# Altium PCB smu_unit.PcbDoc (part 2 of 3)
Units mil, origin at the board's own origin, x right, y up, seen from the top; angles counter-clockwise.
Board outline 6066 x 1900 mil, 4 copper layers (L1, L2, L3, L4), stack 64.6 mil thick; 158 components, 104 nets, 571 pads, 990 vias.
Unrouted connection lines stored in the file: 24.
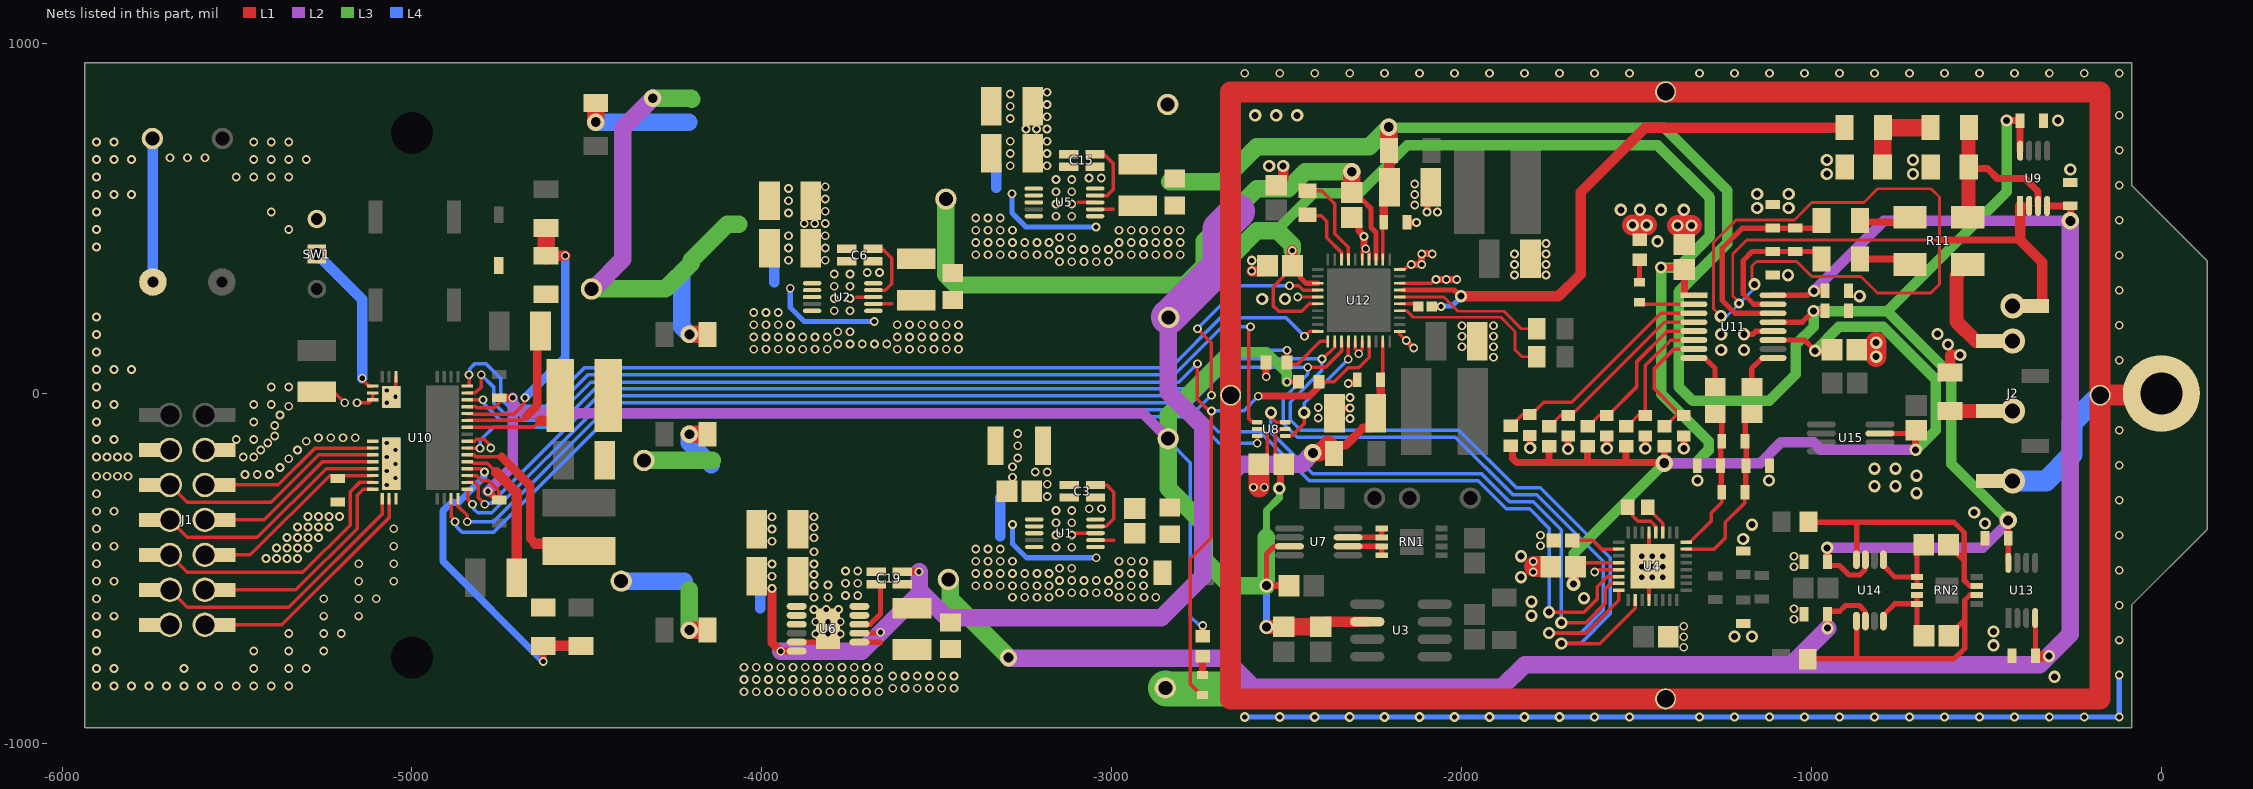
[diagram p4: the nets of this part, all layers, seen from the top]

## Via types
v1: diameter 25, hole 15, L1 to L4, tented both sides, 770 vias
v2: diameter 35, hole 20, L1 to L4, tented both sides, 109 vias
v3: diameter 20, hole 12, L1 to L4, tented both sides, 59 vias
v4: diameter 28, hole 15, L1 to L4, tented both sides, 26 vias
v5: diameter 50, hole 28, L1 to L4, tented both sides, 16 vias
v6: diameter 70.87, hole 43.31, L1 to L4, tented both sides, 6 vias
v7: diameter 40, hole 25, L1 to L4, tented both sides, 2 vias
v8: diameter 35, hole 20, L1 to L4, tented top, 1 vias
v9: diameter 40, hole 20, L1 to L4, tented both sides, 1 vias

## Nets (pads, with @x,y where several pads share a name; then routed paths per layer and width w, separated by ;. In a path a pad name is that pad's centre, name@x,y a point inside that pad or via, vN(x,y) a via of type N, cw(c..) or ccw(c..) an arc to the next point about the centre after c; other vN are vias at no path point) (continued)
3.3V: C3.1 C10.1 C12.1 C18.1 C22.2 C29.1 C36.1 C39.1 C53.2 C55.1 C57.1 C72.1 R21.1 R24.1 R26.1 R29.1 R31.1 R33.1 R34.1 TP1.1 U1.10 U3.2 U4.28 U7.7 U8.5 U10.10 U10.20 U11.1 U11.11 U12.13 U12.16 U15.7 | length 11931.8
  L1 w10: U10.10@-4841.66,-234.67 -4814.62,-234.67 -4799.89,-249.41 -4780.89,-249.41 -4751.89,-278.41 C57.1@-4751.89,-301.94 ; U10.20@-4841.66,-37.82 -4817.31,-37.82 -4813.73,-41.41 -4765.89,-41.41 -4750.95,-26.46 C53.2@-4750.95,-12.23 ; C29.1@-2533,-177.54 -2533,-116.04 -2519.9,-102.95 -2513.45,-102.95 -2513.41,-102.91 -2504.55,-102.91 U8.5@-2503.65,-102 U8.5@-2502.74,-101.09 ; C55.1@-2488.51,359.21 -2508.16,339.55 -2508.16,334.55 -2539,303.72 -2539,251 -2523,235 -2457,235 -2435.88,256.12 U12.16@-2411.15,256.12 ; C22.2@-1674.57,-500 -1658.51,-483.94 U4.28@-1551,-483.94
  L1 w15: v7(-2557.89,-549) -2557.89,-458.89 -2536.31,-437.31 -2492.18,-437.31 U7.7@-2491.66,-436.8 ; v1(-2499.01,33.71) -2476.54,33.71 R33.1@-2471.54,28.71 ; C55.1@-2483.54,364.54 -2461.43,342.42 -2461.43,332.13 -2444.47,315.17 U12.13@-2411.15,315.17 ; U11.1@-1336.2,280.57 -1333.78,280.57 U11.1@-1333,281.35 ; U11.11@-1109.8,152.61 -1019.61,152.61 v2@-992,125 ; U15.7@-804.34,-114.2 -720.67,-114.2 C72.1@-711.96,-105.5 ; C72.1@-703.96,-105.5 C72.1@-691,-92.54
  L1 w20: v1(-4782.89,-279.41) -4782.3,-279.41 -4759.77,-301.94 C57.1@-4751.89,-301.94 ; C53.2@-4750.95,-12.23 v1(-4711.89,-12.23) ; R34.1@-2740,-694.46 v1(-2740,-663) ; v7(-2557.89,-549) C18.1@-2493.46,-549 ; v2(-2521,-271) -2518.13,-268.13 -2518.13,-211.59 C29.1@-2508.54,-202 ; R21.1@-1859,-149.54 -1853.93,-154.61 -1853.93,-185.28 -1842.21,-197 -1750,-197 ; R31.1@-1750,-150.54 -1750,-197 ; R29.1@-1640,-150.54 -1640,-197 ; R26.1@-1530,-150.54 -1530,-197 ; v5@-1430.67,-197 -1530,-197 ; v2(-1430,360) -1368.46,360 C39.1@-1363,354.54 U11.1@-1363,285 ; v5@-1420.5,-190.14 -1420.5,-151.04 R24.1@-1420,-150.54 ; v2(-989.46,122) C36.1@-939.93,122 ; v2(-702,-161) -702,-107.46 C72.1@-700,-105.46 ; -1750,-197 -1640,-197 ; -1640,-197 -1530,-197
  L1 w30: C55.1@-2484.01,365.01 v1(-2484.01,408.71) ; C12.1@-2402.89,-666.94 -2388.36,-652.41 U3.2@-2269.35,-652.41 ; v9(-1680,-545) -1680,-500.43 C22.2@-1674.57,-495
  L1 w40: v7(-2557.89,-667.41) -2508.32,-667.41 C10.1@-2507.89,-666.97
  L1 w50: C10.1@-2507.89,-666.97 C12.1@-2402.91,-666.96
  L2 w30: v1(-4782.89,-279.41) -4711.89,-208.41 -4711.89,-27.41 ; v1(-4711.89,-12.23) -4711.89,-27.41 ; TP1.1@-2838.89,-129.41 -2911.89,-56.41 -4682.89,-56.41 -4711.89,-27.41 ; v5(-1421,-199) -1146,-199 -1087,-140 -994,-140 -973,-161 v2@-710,-161
  L3 w20: -2557.89,-410.41 -2557.89,-334.89 -2521.09,-298.09 -2521.09,-271.09 v2(-2521,-271)
  L3 w30: -2659,118 -2558,118 -2499.01,59.01 v1(-2499.01,33.71) ; -2530,465 -2423,572 -2293,572 -2155,710 -1440,710 -1290,560 -1290,450 -1380,360 v2(-1430,360) -1430,-1 -1294.21,-136.79 -1294.21,-161.64 -1332.57,-200 -1420,-200 v5(-1421,-199) -1680,-458 v9(-1680,-545) ; v2(-989.46,122) -921.46,190 -795,190 -645,40 -645,-105 -701,-161 v2(-702,-161)
  L3 w50: -2659,118 -2660,117 ; -2557.89,-410.41 v7(-2557.89,-549) -2661,-549 -2735,-475 -2735,-375 -2838.89,-271.11 TP1.1@-2838.89,-129.41 -2838.89,-61.89 -2660,117 ; v1(-2484.01,408.71) -2484.01,424.01 -2525,465 -2585,465 -2660,390 -2660,117
  L4 w10: TP1.1@-2838.89,-129.41 -2838.89,-134.11 -2775,-198 -2775,-638 -2752.87,-660.13 -2742.87,-660.13 v1(-2740,-663)
  L4 w20: v7@-2558,-549 v7(-2557.89,-549) v7(-2557.89,-667.41)
  L4 w30: v7@-2560.6,-549 v7@-2558,-549
  other v1: -3063.89,-329.41 -3028.89,-329.41
5.5V: C6.1 C33.1 TP2.1 U2.10 U12.3 | length 1848.2
  L1 w15: C33.1@-2314.01,574.17 -2291.89,552.05 -2282.35,552.05 -2259.01,528.71 -2259.01,474.1 -2244.69,459.78 U12.3@-2244.69,383.21
  L1 w50: C33.1@-2314.01,574.17 v5(-2314.01,633.71)
  L3 w50: TP2.1@-3473.89,555.59 -3473.89,339.29 -3444.6,310 -2790,310 -2735,365 -2735,435 -2585,585 -2495,585 -2446.29,633.71 v5(-2314.01,633.71)
  other v1: -3698.89,345.59 -3663.89,345.59
5.15V: C1.1 C2.2 C42.2 L3.2 TP9.1 U1.1 U1.2 U1.3 U1.6 U10.15 | length 584.2
  L1 w10: U10.15@-4841.66,-136.25 -4820.73,-136.25 -4815.89,-131.41 -4792.89,-131.41 -4777.76,-146.54 -4777.76,-149.01 -4777.36,-149.41 v1@-4774.89,-149.41
  L3 w50: TP9.1@-4336.89,-191.41 -4141.89,-191.41
  L4 w15: v1(-3283.89,-374.41) -3283.89,-429.41 -3243.89,-469.41 v1(-3043.89,-469.41)
  other v1: -3283.89,-239.41 -3283.89,-209.41 -3268.89,-184.41 -4774.89,-155.93 -3268.89,-149.41 -3268.89,-114.41
15V: C15.1 C30.2 C32.1 C38.1 C40.2 C60.1 C70.1 R7.1 TP3.1 U5.10 U9.8 U11.13 U12.2 U13.8 U14.3 | length 6123.1
  L1 w10: U12.2@-2225,383.21 -2225,486.24 -2227.47,488.71 C32.1@-2222.47,488.71 C32.1@-2224.01,490.24
  L1 w15: U11.13@-1109.59,204 U11.13@-1109.8,203.8 -1026.2,203.8 v2(-994,236) ; C70.1@-954.54,-486.46 -949.24,-491.76 -920.24,-491.76 -893,-519 -862,-519 -846.69,-503.69 -846.69,-476.3 U14.3@-845.8,-475.4 ; v5(-438,-363) -437.77,-363.23 -437.77,-413.77 C60.1@-437.54,-414 C60.1@-437,-414.54 ; U13.8@-437.39,-484.24 C60.1@-437.39,-416.8
  L1 w20: C32.1@-2224.01,490.24 C32.1@-2222.47,491.78 ; C40.2@-2222.47,573.3 C40.2@-2206.06,589.71 ; v2(-994,236) -966.26,236 -964.26,238 -961.46,235.2 C38.1@-961.46,230 ; v2(-955,-441) -954.77,-441.23 -954.77,-486.23 C70.1@-954.54,-486.46 ; v2(-442,780) C30.2@-403.46,780 ; U9.8@-403.39,693.76 C30.2@-403.39,767.2
  L1 w25: C32.1@-2222.47,491.78 C40.2@-2222.47,573.3
  L1 w30: R7.1@-2207.05,693.72 -2207.05,590.69 C40.2@-2206.06,589.71
  L1 w50: R7.1@-2208.03,694.71 R7.1@-2208.03,705.12 ; R7.1@-2208.01,705.14 v5(-2208.01,761.21)
  L2 w30: v2(-955,-441) -511,-441 -438,-368 v5(-438,-363)
  L3 w30: v5(-2208.01,761.21) -2206.8,760 -1420,760 -1240,580 -1240,430 -1380,290 -1380,19 -1340,-21 -1121,-21 -1045,55 -1045,140 -994,191 v2(-994,236) -993.04,235.04 -989.51,235.04 -989.46,235 -783.03,235 ; v2(-442,780) -442,576.03 -783.03,235 ; v5(-438,-363) -600,-201 -600,51.97 -783.03,235
  L3 w50: -2834.37,605 -2685,605 -2585,705 -2264.22,705 v5(-2208.01,761.21)
  other v1: -3065,616 -3030,616
18.8V: C4.2 C5.2 C13.2 C14.2 C31.1 D1.2 R6.2 TP10.1 U2.1 U2.2 U2.3 U2.6 U5.1 U5.2 U5.3 U5.6 U10.18 | length 2218.8
  L1 w10: U10.18@-4841.66,-77.19 -4686.89,-77.19 -4678.1,-68.41 -4677.89,-68.41
  L1 w25: -4674.89,-66.41 -4641.89,-33.41 ; -4641.89,-32.19 -4641.89,119.5
  L2 w50: TP10.1@-4481.8,300.7 -4478.4,304.11 -4476.38,304.11 -4396.89,383.59 -4396.89,758.59 v5(-4311.89,843.59)
  L3 w50: TP10.1@-4486.89,298.59 -4275.89,298.59 -4201.89,372.59 -4201.89,380.59 -4099.39,483.09 -4065.39,483.09 ; v5(-4311.89,843.59) -4201.89,843.59 -4199.89,841.59
  L4 w15: v1(-3918.89,300.59) -3918.89,245.59 -3878.89,205.59 v1(-3678.89,205.59) ; v1(-3285,571) -3285,516 -3245,476 v1(-3045,476)
  other v1: -3923.89,380.59 -3923.89,415.59 -3923.89,450.59 -3923.89,515.59 -3923.89,550.59 -3923.89,585.59 -3290,651 -3290,686 -3290,721 -3290,786 -3290,821 -3290,856
-15V: C19.1 C37.1 C54.1 C59.1 C63.1 C64.1 C66.1 R37.1 TP4.1 U6.11 U6.12 U9.4 U11.16 U12.29 U13.4 U14.6 | length 7436.4
  L1 w10: C64.1@-2231.29,26.32 C64.1@-2231.29,38.71 -2225,45 U12.29@-2225,148.71
  L1 w15: U11.16@-1078.05,281 -1078.18,280.87 -1109.5,280.87 U11.16@-1109.8,280.57 -1010.85,280.57 -998.41,293 v2(-993,293) ; C63.1@-954.54,-626.3 -949.24,-621 -949.24,-622.24 -919.24,-622.24 -902.91,-605.91 -863.09,-605.91 -846.69,-622.31 -846.69,-649.7 U14.6@-845.8,-650.6 ; U13.4@-360.61,-641.76 -360.2,-642.17 -360.2,-663.74 -360,-663.94 -360,-728.27 C66.1@-360,-748.46
  L1 w20: v2(-993,293) C54.1@-961.46,293 ; C63.1@-954.54,-626.3 -954.27,-626.56 -954.27,-670.73 v2(-954,-671) ; U9.4@-326.61,536.24 -326.47,536.39 -260.15,536.39 -260,536.24 v5(-260,493)
  L1 w25: R37.1@-2351.94,-148.36 -2331.07,-148.36 -2281.63,-98.91 -2261.98,-98.91 -2244.95,-81.88 C59.1@-2244.95,-56.29 -2231.29,-42.63 C64.1@-2231.29,26.32
  L1 w30: C66.1@-357,-751 v8(-321,-751)
  L1 w50: v5(-2425,-170) -2406.48,-170 -2381.48,-145 -2365.03,-161.45 R37.1@-2365.03,-171.29
  L2 w30: v2(-993,293) -793,493 v5(-260,493)
  L2 w50: v5@-3291.89,-756.41 -2689.29,-756.41 ; v5(-2425,-170) -2457,-202 -2630.71,-202 -2660,-231.29 -2660,-775 -2595,-840 -1885,-840 -1820,-775 -1058,-775 ; v2(-954,-671) -1058,-775 ; v5(-260,493) -260,-688 -322,-750 -347,-775 -1058,-775
  L3 w10: TP4.1@-3466.89,-531.41 TP4.1@-3463.29,-535.01
  L3 w50: TP4.1@-3463.29,-535.01 -3464.78,-536.5 -3461.38,-539.9 -3461.38,-586.92 v5@-3291.89,-756.41
  other v1: -3760.78,-577.52 -3725.78,-577.52 -3760.78,-542.52 -3725.78,-542.52 -3760.78,-507.52 -3725.78,-507.52
  other v5: -3295,-755
-18.8V: C16.2 C17.2 C50.1 R17.2 TP12.1 U6.1 U6.2 U6.3 U6.5 U6.13 U10.12 | length 732.4
  L1 w10: U10.12@-4841.66,-195.3 -4827.99,-195.3 -4823.89,-199.41 -4784.89,-199.41 -4765.89,-218.41
  L1 w15: U6.5@-3900.35,-710.9 -3837.73,-710.9 -3810.78,-683.95 U6.13@-3810.78,-672.52
  L1 w30: -4759.6,-224.7 -4700.89,-283.41 C50.1@-4700.89,-498.41
  L3 w50: TP12.1@-4401.89,-536.41 TP12.1@-4398.89,-536.41
  L4 w30: -4003.89,-614.11 -4003.89,-560.2
  L4 w50: TP12.1@-4401.89,-536.41 -4221.89,-536.41
  other v1: -4050.78,-852.52 -4015.78,-852.52 -3980.78,-852.52 -3945.78,-852.52 -3910.78,-852.52 -3875.78,-852.52 -3840.78,-852.52 -3805.78,-852.52 -3770.78,-852.52 -3735.78,-852.52 -3700.78,-852.52 -3665.78,-852.52 -3625.78,-842.52 -3590.78,-842.52 -3555.78,-842.52 -3520.78,-842.52 -3485.78,-842.52 -3450.78,-842.52 -4050.78,-817.52 -4015.78,-817.52 -3980.78,-817.52 -3945.78,-817.52 -3910.78,-817.52 -3875.78,-817.52 -3840.78,-817.52 -3805.78,-817.52 -3770.78,-817.52 -3735.78,-817.52 -3700.78,-817.52 -3665.78,-817.52 -3625.78,-807.52 -3590.78,-807.52 -3555.78,-807.52 -3520.78,-807.52 -3485.78,-807.52 -3450.78,-807.52 -4050.78,-782.52 -4015.78,-782.52 -3980.78,-782.52 -3945.78,-782.52 -3910.78,-782.52 -3875.78,-782.52 -3840.78,-782.52 -3805.78,-782.52 -3770.78,-782.52 -3735.78,-782.52 -3700.78,-782.52 -3665.78,-782.52 -3845.78,-687.52 -3810.78,-687.52 -3775.78,-687.52 -3845.78,-652.52 -3810.78,-652.52 -3775.78,-652.52 -3850.78,-617.52 -3815.78,-617.52 -3780.78,-617.52 -3850.78,-582.52 -3810.78,-582.52 -3850.78,-547.52 -3810.78,-547.52 -3850.78,-517.52 -3850.78,-487.52 -3850.78,-452.52 -3850.78,-412.52 -3850.78,-382.52 -3850.78,-352.52
\ADC/CS: U4.31 U8.6 | length 1559.8
  L1 w10: v2(-2545,-55) -2545,-67.56 -2530.24,-82.31 U8.6@-2503.65,-82.31 ; v2(-1715,-655) -1645,-655 -1590,-600 -1590,-560 -1573,-543 U4.31@-1551,-543
  L4 w10: v2(-2545,-55) -2545,-110 -2425,-230 -1943,-230 -1863,-310 -1795,-310 -1715,-390 v2(-1715,-655)
\DAC/CS: U8.4 U12.24 | length 355.6
  L1 w10: U8.4@-2503.65,-121.69 -2502.74,-120.78 -2484.78,-120.78 -2450,-86 v2(-2450,-55) ; v1(-2323.9,97.8) -2323.43,98.27 U12.24@-2323.43,148.71
  L4 w10: v2(-2450,-55) -2450,-28.3 v1(-2323.9,97.8)
\FAULT: J1.7 pad.1@-5691.89,-361.41 U10.38 | length 681.8
  L1 w10: pad.1@-5691.89,-361.41 -5641.89,-411.41 -5441.89,-411.41 -5245.47,-214.99 U10.38@-5112.12,-214.99
\LDAC: J1.5 pad.1@-5691.89,-261.41 U10.36 | length 656.7
  L1 w10: pad.1@-5691.89,-261.41 -5641.89,-311.41 -5401.89,-311.41 -5266.1,-175.62 U10.36@-5112.12,-175.62
\SS: J1.14 pad.1@-5591.89,-661.41 U10.2 | length 707.3
  L1 w10: pad.1@-5591.89,-661.41 J1.14@-5539.53,-661.41 -5371.89,-661.41 -5065.47,-354.99 U10.2@-5065.47,-301.01
\SSS: U8.3 U10.6 | length 2569.8
  L1 w10: U10.6@-4888.31,-301.01 -4888.31,-350.93 -4876.89,-362.35 v1(-4876.89,-366.41) ; U8.3@-2584.35,-121.69 -2584.18,-121.86 -2584.18,-141.82 v1(-2584,-142)
  L4 w10: v1(-4876.89,-366.41) -4874.02,-369.28 -4874.02,-379.28 -4856.89,-396.41 -4766.89,-396.41 -4436.89,-66.41 -2768.59,-66.41 -2693,-142 v1(-2584,-142)
CLK: J1.9 pad.1@-5691.89,-461.41 U10.40 | length 792.6
  L1 w10: pad.1@-5676.89,-446.41 -5676.89,-461.41 pad.1@-5691.89,-461.41 -5641.89,-511.41 -5311.89,-511.41 -5176.89,-376.41 -5176.89,-281.41 -5149.84,-254.36 U10.40@-5112.12,-254.36
DAC/#CLKOUT: R14.1 U10.14 U12.21 | length 2645.3
  L1 w10: U10.14@-4841.66,-155.93 -4806.36,-155.93 v1(-4805.89,-156.41) v1@-4805.89,-155.93 ; R14.1@-2494.01,83.71 -2469.01,83.71 -2404.01,148.71 U12.21@-2382.48,148.71
  L1 w15: R14.1@-2499.48,88.71 -2499.24,88.94 -2499.24,123.47 v1(-2499.01,123.71)
  L4 w10: v1(-4805.89,-156.41) -4804.39,-154.91 -4804.39,-133.91 -4766.89,-96.41 -4586.89,-96.41 -4476.89,13.59 -2791.41,13.59 -2681.29,123.71 v1(-2499.01,123.71)
DAC/#FAULT: DS2.2 R33.2 U10.21 U12.27 | length 3753
  L1 w10: U10.21@-4841.66,-18.14 v1(-4796.89,-18.14) ; v1(-2755,85) -2755,-16 v1@-2718,-53 ; DS2.2@-2740,-861.54 -2743.94,-861.54 -2775,-830.48 -2775,-472 -2715,-412 v1(-2715,-50) ; R33.2@-2409.01,32.18 R33.2@-2407.48,33.71 ; R33.2@-2404.01,33.71 -2364.01,33.71 -2324.01,73.71 -2294.01,73.71 -2264.37,103.35 U12.27@-2264.37,148.71
  L1 w20: v1(-2581,-8) -2580.5,-7.5 -2435.22,-7.5 -2413.23,14.49 -2413.23,27.96 R33.2@-2409.01,32.18
  L4 w10: v1(-4796.89,-18.14) -4794.02,-21.01 -4794.02,-29.28 -4746.89,-76.41 -4596.89,-76.41 -4488.49,32 -2808,32 v1(-2755,85) ; v1(-2715,-50) -2623,-50 v1(-2581,-8)
DAC/#LDAC: U10.23 U12.20 | length 2695
  L1 w10: U10.23@-4836.89,23.59 v1(-4836.89,53.59) ; v1(-2449.01,163.71) -2447.68,163.71 -2434.01,177.38 U12.20@-2411.15,177.38
  L4 w10: v1(-4836.89,53.59) -4834.95,55.54 -4834.95,70.54 -4819.89,85.59 -4788.89,85.59 -4746.89,43.59 -4746.89,-14.41 -4724.89,-36.41 -4616.89,-36.41 -4506.89,73.59 -2831.41,73.59 -2688,217 -2502.3,217 v1(-2449.01,163.71)
DAC/+VSENSE: R23.1 U12.36 | length 453.3
  L1 w8: U12.36@-2176.65,275.8 -2051.1,275.8 -2010.3,235 -1879.29,235 -1829.29,185 R23.1@-1785.35,185 ; R23.1@-1801.34,193.72 R23.1@-1784.06,210.99
DAC/-VSENSE: R28.1 U12.34 | length 476.2
  L1 w8: U12.34@-2176.65,236.43 -2156.73,236.43 -2138.01,217.71 -1887.71,217.71 -1847,177 -1847,125 -1827,105 R28.1@-1785.35,105
DAC/ADC/SCLK: U4.2 U10.9 U12.22 | length 4617
  L1 w10: U10.9@-4841.89,-254.41 -4820.89,-254.41 -4809.89,-265.41 -4809.89,-298.41 v1@-4799.95,-308.35 ; v1(-2399.01,98.71) -2396.29,98.71 -2362.8,132.2 U12.22@-2362.8,148.71 ; v2(-1715,-715) -1605,-715 -1503.76,-613.76 U4.2@-1503.76,-590.24
  L4 w10: v1(-4791.89,-316.41) -4789.02,-313.54 -4774.02,-313.54 -4466.89,-6.41 -2781.41,-6.41 -2676.29,98.71 v1(-2399.01,98.71) -2399.01,65.99 -2490,-25 -2490,-75 -2460,-105 -2008,-105 -1843,-270 -1775,-270 -1575,-470 -1575,-630 -1659.52,-714.52 -1714.52,-714.52 v2(-1715,-715)
DAC/ADC/SDI: U4.32 U10.8 U12.23 | length 4622.8
  L1 w10: U10.8@-4839.89,-274.29 -4839.89,-303.05 -4826.89,-316.05 v1(-4826.89,-316.41) ; v1(-2440,75) -2388.98,75 -2343.11,120.87 U12.23@-2343.11,148.71 ; v2(-1750,-685) -1644.59,-685 -1551,-591.41 U4.32@-1551,-562.68
  L4 w10: v1(-4826.89,-316.41) -4824.02,-319.28 -4824.02,-329.28 -4811.89,-341.41 -4771.89,-341.41 -4456.89,-26.41 -2771.41,-26.41 -2670,75 v1(-2440,75) -2440,55 -2510,-15 -2510,-85 -2470,-125 -2018,-125 -1853,-290 -1785,-290 -1595,-480 -1595,-620 -1660,-685 v2(-1750,-685)
DAC/ADC/SDO: U4.30 U10.7 U12.14 | length 4597.5
  L1 w10: U10.7@-4868.62,-312.54 -4868.62,-321.67 -4842.34,-347.96 -4842.34,-365.96 v1(-4841.89,-366.41) ; v1(-2755,185) -2715,145 v1(-2715,-5) ; v1(-2492.01,307.71) -2465.01,307.71 -2452.79,295.49 U12.14@-2411.15,295.49 ; v2(-1750,-625) -1650,-625 -1612.5,-587.5 -1612.5,-552.5 -1583.32,-523.31 U4.30@-1551,-523.31
  L4 w10: v1(-4841.89,-366.41) -4766.89,-366.41 -4447.49,-47 -2757,-47 v1(-2715,-5) ; -2758,-47 -2696,-109 -2576,-109 -2435,-250 -1952,-250 -1872,-330 -1805,-330 -1750,-385 v2(-1750,-625) ; v1(-2755,185) -2632.29,307.71 v1(-2492.01,307.71)
DAC/RA: R20.2 U12.7 | length 264.3
  L1 w10: R20.2@-2436,579.45 -2399.45,579.45 -2362.15,542.15 -2362.15,456.85 -2323.43,418.13 U12.7@-2323.43,383.21
DAC/RB: R20.1 U12.8 | length 184.8
  L1 w10: R20.1@-2436,510.55 -2433.72,508.27 -2401.27,508.27 -2385.65,492.65 -2385.65,445.35 -2343.11,402.81 U12.8@-2343.11,383.21
DAC/VIOUT: C58.2 R12.2 U12.37 | length 1699.4
  L1 w15: U12.37@-2167.29,295.96 -2021.96,295.96 v2@-2004,278
  L1 w20: C58.2@-2085.77,248.12 -2085.48,248.41 -2059.3,248.41 v1(-2059.01,248.71)
  L1 w30: v2@-2004,278 v2(-2002,278) -1723,278 -1660,341 -1660,575 -1475,760 R12.2@-910,760
  L4 w15: v1(-2059.01,248.71) -2057.72,249.99 -2027.01,249.99 -2002,275 v2(-2002,278)
DACS/A\D\C\S\M: J1.8 pad.1@-5591.89,-361.41 U10.37 | length 548.6
  L1 w10: pad.1@-5591.89,-361.41 J1.8@-5539.53,-361.41 -5421.89,-361.41 -5255.79,-195.3 U10.37@-5112.12,-195.3
DACS/A\D\C\S\S: U8.1 U10.22 | length 2748.9
  L1 w10: U10.22@-4841.66,1.55 -4818.94,1.55 -4801.89,18.59 v1(-4801.89,53.59) ; v1(-2603,191) -2603,186.94 -2609,180.94 -2609,-71 -2598.59,-81.41 -2585.26,-81.41 U8.1@-2584.35,-82.31
  L4 w10: v1(-4801.89,53.59) -4766.89,18.59 -4766.89,-26.41 -4736.89,-56.41 -4606.89,-56.41 -4496.89,53.59 -2821.41,53.59 -2684,191 v1(-2603,191)
EARTH: J2.6 pad.0 pad.@0,0 | length 9891.1
  L1 w20: -177,-143 -175,-145
  L1 w60: pad.@0,0 -5,-5 pad.0@-175,-5 -175,862 ; -175,862 -175,-143 -175,-873 pad.0@-1417,-873 -2660,-873 pad.0@-2660,-5 -2660,862 pad.0@-1417,862 -175,862
  L4 w60: v6(-424.96,-250) -330,-250 -255,-175 -255,-85 pad.0@-175,-5
hiGuard: J2.1 U9.1 U9.2 | length 3316.8
  L1 w8: v2(-1259,221) -1280,242 -1280,431 -1215,496 -1049,496 -999,546 -850,546 -811,585 -658,585 -634,561 -634,439 ; v4@-1206,257 -1206,260 -1225,279 -1225,399 -1185,439 -634,439 ; v2(-1163,312) -1168.17,317.17 -1168.17,328.35 -1170,330.19 -1170,364 -1157,377 -1042,377 -999,334 -858,334 -811,287 -659,287 -634,312 -634,439
  L1 w20: -634,438 -403.39,438 ; U9.1@-403.39,536.24 U9.2@-377.8,536.24
  L1 w30: U9.1@-403.39,536.24 -403.39,438 -340,374.61 -340,254.5 -344.5,250 J2.1@-360,250
  L4 w8: v2@-1259,220 -1243,220 -1161,302 v2@-1161,312
  other v4: -1207,257
  other v6: -424.96,250
iSense+/ADC: C28.1 C34.1 C45.2 R9.2 U4.15 | length 514.4
  L1 w10: U4.15@-1358.09,-444.57 -1277.57,-444.57 -1246,-413 -1246,-368 -1190,-312 -1190,-282.46 C28.1@-1188,-280.46
  L1 w15: C45.2@-1191,-134.54 C45.2@-1189.54,-136 -1189.54,-76.48 -1171.44,-58.39 R9.2@-1170,-58.39 ; C28.1@-1188,-280.46 -1188,-207.54 C34.1@-1186.46,-206 C45.2@-1186.46,-137
iSense-/ADC: C28.2 C45.1 C51.2 R16.2 U4.16 | length 424.6
  L1 w10: U4.16@-1358.09,-424.89 -1346.43,-424.89 -1346.35,-424.81 -1346.35,-424.35 -1287,-365 -1287,-342 -1256.81,-311.81 -1256.81,-282.35 C28.2@-1256.46,-282
  L1 w15: R16.2@-1275,-58.39 -1274.56,-58.39 -1256.46,-76.48 C45.1@-1256.46,-136 ; C45.1@-1259.54,-136 C51.2@-1259.54,-206 -1258,-207.54 -1258,-280.46 C28.2@-1256.46,-282
isoAGND: C4.1 C5.1 C6.3 C7.2 C13.1 C14.1 C15.3 C16.1 C17.1 C19.3 C24.2 C30.1 C32.2 C33.2 C34.2 C37.2 C38.2 C40.1 C41.2 C43.1 C47.1 C48.1 C51.1 C52.2 C54.2 C59.2 C60.2 C61.1 C63.2 C64.2 C65.1 C66.2 C68.2 C70.2 C73.1 R36.2 R42.2 R43.2 R44.2 TP16.1 U2.5 U2.8 U4.4 U4.21 U4.33 U5.5 U5.8 U6.6 U6.9 U11.12 U12.4 U12.5 U12.31 U12.38 U12.40 | length 5062.7
  L1 w10: -3728.89,275.59 U2.8@-3681.29,275.59 ; -3095,546 U5.8@-3047.4,546 ; U12.5@-2284.06,383.21 -2284.06,405.5 -2275.85,413.71 v1(-2274.01,413.71) ; v1@-2274.01,415.14 -2264.37,405.5 U12.4@-2264.37,383.21 ; U12.31@-2176.65,177.38 -2176.65,169.35 -2159.01,151.71 v1(-2158.01,151.71) ; U12.38@-2176.65,315.17 -2086.42,315.17 -2075.63,325.96 v1(-2073.06,325.96) ; U12.40@-2176.65,354.54 -2162.23,354.54 -2148.07,368.71 v1(-2144.01,368.71) ; v1@-2137.01,128.71 v1(-2137.01,129.71) ; U4.33@-1464.39,-503.63 U4.33@-1454.54,-493.79 U4.33@-1464.39,-483.94
  L1 w12: U4.4@-1464.39,-590.24 U4.33@-1464.39,-503.63 ; U4.33@-1464.39,-483.94 U4.21@-1464.39,-397.33
  L1 w15: U6.9@-3721.21,-685.31 -3720.32,-684.42 -3662.68,-684.42 v1(-3660.78,-682.52) ; v1(-2158.01,151.71) -2158.01,151.21 -2137.01,130.21 v1(-2137.01,129.71) ; v2(-1193,169) -1168,169 -1159,178 -1110,178 U11.12@-1109.8,178.2
  L1 w20: v1(-3945.78,-736.49) U6.6@-3900.35,-736.49 ; C19.3@-3598.38,-509.8 -3597.25,-508.67 -3553.27,-508.67 -3552.13,-509.8 v1(-3550.78,-509.8) ; C59.2@-2363.06,-56.29 -2348.06,-41.29 v1(-2319.01,-41.29) ; v1(-2324.01,28.71) -2323.05,29.67 -2301.02,29.67 -2298.22,32.46 C64.2@-2298.22,38.71 ; C33.2@-2314.01,503.24 -2312.99,503.24 -2293.37,483.63 -2293.37,464.43 -2279.01,450.06 v1(-2279.01,448.71) -2279.01,418.71 v1(-2274.01,413.71) ; C32.2@-2155.54,488.71 v1(-2129.01,488.71) ; v1(-2144.01,368.71) -2115.01,368.71 -2114.01,367.71 v1(-2114.01,368.71) v1(-2114.01,398.71) -2115.01,399.71 -2085.01,399.71 v1(-2084.01,398.71) ; v1(-2099.01,518.71) -2098.05,519.67 -2098.05,579.61 C40.1@-2087.95,589.71 ; v1(-2073.06,325.96) v1(-2044.01,325.96) v1(-2014.01,325.96)
  L1 w25: v1(-3970.78,-557.52) -3970.78,-712.52 -3946.81,-736.49 v1(-3945.78,-736.49)
  L1 w30: C73.1@-2530,595.46 -2510,615.46 v2(-2510,650) ; R36.2@-605.71,69 -605.45,69 -603.74,70.71 -603.74,108.74 -602.48,110 v2(-575,110)
  L1 w50: v5@-4474.89,774.59 v5(-4474.89,775.59) R43.2@-4474.89,829.62 ; v5(-4206.89,-676.41) R44.2@-4155.87,-676.41 ; v5(-4206.89,168.59) R42.2@-4156.89,168.59
  L2 w50: v1(-3945.78,-736.49) -3714.76,-736.49 v1(-3660.78,-682.52) -3550.78,-572.52 -3550.78,-562.52 ; v1(-3550.78,-509.8) -3550.78,-562.52 ; TP16.1@-2837,217 -2838,216 -2838,4 -2740,-94 -2740,-523 -2858.41,-641.41 -3471.89,-641.41 -3550.78,-562.52
  L2 w90: TP16.1@-2837,217 TP16.1@-2837,218
  L2 w100: TP16.1@-2837,218 -2690,365 -2690,470 -2640,520
  L3 w40: v5(-4206.89,-676.41) v5@-4206.89,-673.7
  L3 w50: v5@-4206.89,-673.7 -4206.89,-561.41
  L4 w30: -3963.89,318.13 -3963.89,383.13 ; -3330,588.53 -3330,653.53
  L4 w50: v5(-4474.89,775.59) -4473.89,774.59 -4208.89,774.59 ; v5(-4206.89,168.59) -4228.89,190.59 -4228.89,345.59 -4204.89,369.59
  other v1: -1364.7,-725.24 -120,-705 -1364.7,-695.24 -1364.7,-665.24 -1050,-645 -1050,-615 -120,-605 -1485,-525 -1455,-525 -1425,-525 -3970.78,-522.52 -120,-505 -1485,-495 -1455,-495 -1425,-495 -1050,-495 -3970.78,-487.52 -1485,-465 -1455,-465 -1425,-465 -1050,-465 -1774.7,-435.24 -3970.78,-422.52 -1774.7,-405.24 -120,-405 -3970.78,-387.52 -3970.78,-352.52 -120,-305 -120,-205 -120,-105 -2319.01,-71.29 -2410,-70 -2410,-40 -2319.01,-11.29 -120,95 -1909.01,103.71 -4022.78,126.19 -3987.78,126.19 -3952.78,126.19 -3917.78,126.19 -3882.78,126.19 -3847.78,126.19 -3812.78,126.19 -3612.78,126.19 -3577.78,126.19 -3542.78,126.19 -3507.78,126.19 -3472.78,126.19 -3437.78,126.19 -1999.01,133.71 -1909.01,133.71 -3782.78,141.19 -3747.78,141.19 -3712.78,141.19 -3677.78,141.19 -3642.78,141.19 -4022.78,161.19 -3987.78,161.19 -3952.78,161.19 -3917.78,161.19 -3882.78,161.19 -3847.78,161.19 -3812.78,161.19 -3612.78,161.19 -3577.78,161.19 -3542.78,161.19 -3507.78,161.19 -3472.78,161.19 -3437.78,161.19 -1999.01,163.71 -1909.01,163.71 -3782.78,176.19 -3747.78,176.19 -1999.01,193.71 -1909.01,193.71 -120,195 -4022.78,196.19 -3987.78,196.19 -3952.78,196.19 -3917.78,196.19 -3612.78,196.19 -3577.78,196.19 -3542.78,196.19 -3507.78,196.19 -3472.78,196.19 -3437.78,196.19 -4022.78,231.19 -3987.78,231.19 -3952.78,231.19 -3792.78,236.19 -3747.78,236.19 -3792.78,271.19 -3747.78,271.19 -120,295 -3792.78,306.19 -3747.78,306.19 -1849.01,338.71 -1759.01,338.71 -3792.78,341.19 -3747.78,341.19 -1849.01,368.71 -1759.01,368.71 -3148.89,376.59 -3113.89,376.59 -3078.89,376.59 -3043.89,376.59 -3008.89,376.59 -3818.89,380.59 -120,395 -3388.89,396.59 -3353.89,396.59 -3318.89,396.59 -3283.89,396.59 -3248.89,396.59 -3213.89,396.59 -3178.89,396.59 -2978.89,396.59 -2943.89,396.59 -2908.89,396.59 -2873.89,396.59 -2838.89,396.59 -2803.89,396.59 -1849.01,398.71 -1759.01,398.71 -3148.89,411.59 -3113.89,411.59 -3078.89,411.59 -3043.89,411.59 -3008.89,411.59 -3818.89,415.59 -1759.01,428.71 -3388.89,431.59 -3353.89,431.59 -3318.89,431.59 -3283.89,431.59 -3248.89,431.59 -3213.89,431.59 -3178.89,431.59 -2978.89,431.59 -2943.89,431.59 -2908.89,431.59 -2873.89,431.59 -2838.89,431.59 -2803.89,431.59 -3148.89,446.59 -3113.89,446.59 -3818.89,450.59 -3388.89,466.59 -3353.89,466.59 -3318.89,466.59 -3283.89,466.59 -2978.89,466.59 -2943.89,466.59 -2908.89,466.59 -2873.89,466.59 -2838.89,466.59 -2803.89,466.59 -3878.89,485.59 -3848.89,485.59 -3818.89,485.59 -120,495 -3388.89,501.59 -3353.89,501.59 -3318.89,501.59 -3158.89,506.59 -3113.89,506.59 -2069.01,518.71 -3818.89,520.59 -2134.01,538.71 -3158.89,541.59 -3113.89,541.59 -3818.89,555.59 -2134.01,568.71 -3158.89,576.59 -3113.89,576.59 -3818.89,590.59 -120,595 -2134.01,598.71 -3158.89,611.59 -3113.89,611.59 -3185,651 -3185,686 -120,695 -3185,721 -3245,756 -3215,756 -3185,756 -3185,791 -120,795 -3185,826 -3185,861 -2620,915 -2520,915 -2420,915 -2320,915 -2220,915 -2120,915 -2020,915 -1920,915 -1820,915 -1720,915 -1620,915 -1520,915 -1320,915 -1220,915 -1120,915 -1020,915 -920,915 -820,915 -720,915 -620,915 -520,915 -420,915 -320,915 -220,915 -120,915
  other v2: -305,-810 -480,-720 -1220,-695 -1170,-695 -480,-680 -1195,-416 -1170,-375 -504,-372 -535,-340 -700,-285 -820,-265 -760,-265 -1326,-249 -1121,-249 -700,-235 -820,-215 -760,-215 -1258,124 -1193,124 -610,140 -1258,169 -640,170 -862,278 -1067,338 -1155,530 -1065,530 -1155,570 -1065,570 -956,627 -710,627 -260,640 -2550,650 -956,667 -710,667 -295,780 -2590,795 -2530,795 -2470,795
isoDGND: C1.2 C2.1 C3.3 C22.1 C29.2 C36.2 C39.2 C55.2 R14.2 R19.1 R22.1 R25.1 R27.1 R30.1 R32.1 R39.1 R40.1 TP15.1 U1.5 U1.8 U4.29 U8.2 U12.15 U12.25 U12.26 | length 3969.1
  L1 w10: v1@-3103.89,-399.41 U1.8@-3046.29,-399.41 ; U8.2@-2584.35,-102 -2583.45,-102.91 -2574.59,-102.91 -2574.55,-102.95 -2568.09,-102.95 -2555,-116.04 C29.2@-2555,-177.54 ; v1(-2468.01,275.71) -2464.01,275.71 -2463.01,276.71 -2462.01,275.71 -2411.24,275.71 U12.15@-2411.15,275.8 ; U12.25@-2303.74,148.71 -2303.74,127.61 v1@-2293.9,117.77 ; v1(-2293.9,113.71) v1@-2293.9,117.77 ; U12.26@-2284.06,148.71 -2284.06,127.61 v1@-2293.9,117.77 ; v1(-1619.7,-510.24) -1615.64,-510.24 -1609.03,-503.63 U4.29@-1551,-503.63
  L1 w20: v1(-2558.54,47.71) R14.2@-2558.54,88.71 ; v2(-1804,-156) R22.1@-1804,-120.53 ; v2(-1696,-159) -1695.5,-158.5 -1695.5,-122.03 R32.1@-1695,-121.53 ; v2(-1585,-157) R30.1@-1585,-121.53 ; v2(-1475,-157) R27.1@-1475,-121.53 ; v2(-1365,-157) R25.1@-1365,-121.53
  L1 w30: v1(-2600,350) -2569.02,350 C55.2@-2554.47,364.54 ; C29.2@-2579.46,-202 C29.2@-2579,-202.46
  L1 w50: v5(-4206.89,-116.41) R40.1@-4156.89,-116.41
  L1 w60: -2579,-268 C29.2@-2579,-202.46 ; -1791.51,-494.49 -1745.91,-494.49 C22.1@-1745.43,-495 ; v2(-1511,481) v2(-1471,481) ; v2(-1383,480) v2(-1343,480) ; v2(-815,105) v2(-815,145)
  L2 w10: TP15.1@-2848.41,-841.41 TP15.1@-2846.89,-841.41
  L3 w100: TP15.1@-2846.89,-841.41 -2843.3,-845 -2635,-845
  L4 w15: v4(-2620,-925) v4(-2520,-925) v4(-2420,-925) v4(-2320,-925) v4(-2220,-925) v4(-2120,-925) v4(-2020,-925) v4(-1920,-925) v4(-1820,-925) v4(-1720,-925) v1(-1620,-925) v1(-1520,-925) v1(-1320,-925) v1(-1220,-925) v1(-1120,-925) v1(-1020,-925) v1(-920,-925) v1(-820,-925) v1(-720,-925) v1(-620,-925) v1(-520,-925) v1(-420,-925) v1(-320,-925) -123,-925 -120,-922 v1@-120,-804
  L4 w30: -3318.89,-407.5 -3318.89,-297.73
  L4 w50: v5(-4206.89,-116.41) -4206.89,-141.41 -4144.76,-203.54
  other v1: -220,-925 -120,-925 -120,-805 -3283.89,-582.41 -3248.89,-582.41 -3213.89,-582.41 -3178.89,-582.41 -2978.89,-582.41 -2943.89,-582.41 -2907.89,-582.41 -2873.89,-582.41 -3148.89,-569.41 -3113.89,-569.41 -3078.89,-569.41 -3043.89,-569.41 -3008.89,-569.41 -3388.84,-549.35 -3353.89,-549.41 -3318.89,-549.41 -3283.89,-549.41 -3248.89,-549.41 -3213.89,-549.41 -3178.89,-549.41 -2978.89,-549.41 -2943.89,-549.41 -2908.89,-549.41 -3148.89,-534.41 -3113.89,-534.41 -3078.89,-534.41 -3043.89,-534.41 -3008.89,-534.41 -3388.89,-514.41 -3353.89,-514.41 -3318.89,-514.41 -3283.89,-514.41 -3248.89,-514.41 -3213.89,-514.41 -3178.89,-514.41 -2978.89,-514.41 -2943.89,-514.41 -2908.89,-514.41 -1795,-510 -3148.89,-499.41 -3113.89,-499.41 -1795,-480 -3388.89,-479.41 -3353.89,-479.41 -3318.89,-479.41 -3283.89,-479.41 -2978.89,-479.41 -2943.89,-479.41 -2908.89,-479.41 -3388.89,-444.41 -3353.89,-444.41 -3318.89,-444.41 -3158.89,-439.41 -3113.89,-439.41 -3158.89,-404.41 -3113.89,-404.41 -3158.89,-369.41 -3113.89,-369.41 -3158.89,-334.41 -3113.89,-334.41 -3183.89,-294.41 -2595,-268 -2564,-268 -3183.89,-259.41 -3218.89,-224.41 -3183.89,-224.41
  other v2: -1800,-635 -1800,-595 -1650,-585 -1830,-525 -1830,-465 -2570,270 -2505,270 -1440,435 -1545,525 -1490,525 -1430,525 -1365,525
  other v4: -2600,380
LOAD+: J2.2 R11.1 | length 303.2
  L1 w40: R11.1@-553.5,368.5 -568.5,368.5 -581,356 -581,341 -585,337 -585,205 -530,150 J2.2@-489.92,150
  other v6: -424.96,150
LOAD-: J2.4 R36.1 | length 114.1
  L1 w40: R36.1@-604,-50.12 -603.94,-50.06 -489.98,-50.06 J2.4@-489.92,-50
  other v6: -424.96,-50
MGND: C56.1 J1.13 pad.1@-5691.89,-661.41 U10.3 U10.34 U10.42
  other v1: -5901.89,-836.41 -5851.89,-836.41 -5801.89,-836.41 -5751.89,-836.41 -5701.89,-836.41 -5651.89,-836.41 -5601.89,-836.41 -5551.89,-836.41 -5501.89,-836.41 -5451.89,-836.41 -5401.89,-836.41 -5351.89,-836.41 -5901.89,-786.41 -5851.89,-786.41 -5651.89,-786.41 -5451.89,-786.41 -5351.89,-786.41 -5301.89,-786.41 -5901.89,-736.41 -5451.89,-736.41 -5351.89,-736.41 -5251.89,-736.41 -5901.89,-686.41 -5351.89,-686.41 -5251.89,-686.41 -5201.89,-686.41 -5901.89,-636.41 -5851.89,-636.41 -5251.89,-636.41 -5151.89,-636.41 -5901.89,-586.41 -5251.89,-586.41 -5151.89,-586.41 -5101.89,-586.41 -5901.89,-536.41 -5851.89,-536.41 -5151.89,-536.41 -5051.89,-536.41 -5901.89,-486.41 -5151.89,-486.41 -5051.89,-486.41 -5416.89,-471.41 -5386.89,-471.41 -5356.89,-471.41 -5326.89,-471.41 -5386.89,-441.41 -5356.89,-441.41 -5326.89,-441.41 -5296.89,-441.41 -5901.89,-436.41 -5851.89,-436.41 -5051.89,-436.41 -5356.89,-411.41 -5326.89,-411.41 -5296.89,-411.41 -5266.89,-411.41 -5901.89,-386.41 -5051.89,-386.41 -5326.89,-381.41 -5296.89,-381.41 -5266.89,-381.41 -5236.89,-381.41 -5296.89,-351.41 -5266.89,-351.41 -5236.89,-351.41 -5206.89,-351.41 -5901.89,-336.41 -5851.89,-336.41 -5901.89,-286.41 -5901.89,-236.41 -5871.89,-236.41 -5841.89,-236.41 -5811.89,-236.41 -5476.89,-231.41 -5441.89,-231.41 -5406.89,-231.41 -5376.89,-211.41 -5351.89,-186.41 -5326.89,-161.41 -5301.89,-136.41 -5266.89,-126.41 -5231.89,-126.41 -5196.89,-126.41 -5161.89,-126.41
  other v3: -5071.89,-261.41 -5046.89,-241.41 -5071.89,-221.41 -5046.89,-201.41 -5071.89,-181.41 -5046.89,-161.41 -5071.89,-141.41
MISO: J1.11 pad.1@-5691.89,-561.41 U10.1 | length 781.6
  L1 w10: pad.1@-5691.89,-561.41 -5641.89,-611.41 -5351.89,-611.41 -5085.16,-344.67 U10.1@-5085.16,-301.01
MOSI: J1.12 pad.1@-5591.89,-561.41 U10.41 | length 658.6
  L1 w10: pad.1@-5591.89,-561.41 -5586.89,-556.41 -5581.89,-561.41 J1.12@-5539.53,-561.41 -5331.89,-561.41 -5156.89,-386.41 -5156.89,-291.41 -5139.53,-274.04 U10.41@-5112.12,-274.04
MVDD: C56.2 J1.10 pad.1@-5591.89,-461.41 U10.39 | length 573.7
  L1 w10: pad.1@-5591.89,-461.41 J1.10@-5539.53,-461.41 -5461.89,-461.41 -5235.16,-234.67 U10.39@-5112.12,-234.67
NetC3_2: C3.2 U1.9 | length 198.4
  L1 w10: U1.9@-3046.29,-379.72 -3015.39,-379.72 -2993.89,-358.23 -2993.89,-282.2 -3014.4,-261.69 C3.2@-3046.29,-261.69
  L1 w15: C3.2@-3046.49,-261.69 C3.2@-3046.29,-261.69
NetC3_4: C3.4 C8.2 R1.1
NetC6_2: C6.2 U2.9 | length 196.6
  L1 w10: C6.2@-3681.49,413.31 -3655.92,413.31 -3628.89,386.28 -3628.89,313.29 -3646.9,295.28 U2.9@-3681.29,295.28
NetC6_4: C6.4 C9.1 R2.1
NetC8_1: C8.1 R1.2 U1.7 | length 52.5
  L1 w10: U1.7@-3046.29,-419.09 -2994.21,-419.09 -2993.89,-419.41
NetC9_2: C9.2 R2.2 U2.7 | length 52.1
  L1 w10: U2.7@-3681.29,255.91 -3629.21,255.91
NetC15_2: C15.2 U5.9 | length 196.6
  L1 w10: C15.2@-3047.6,683.72 -3022.03,683.72 -2995,656.69 -2995,583.69 -3013.01,565.69 U5.9@-3047.4,565.69
NetC15_4: C15.4 C21.1 R3.1
NetC19_2: C19.2 U6.10 | length 167.5
  L1 w15: U6.10@-3721.21,-659.72 -3690.39,-659.72 -3660.78,-630.12 -3660.78,-549.54 -3665.09,-545.23 C19.2@-3673.18,-545.23
NetC19_4: C19.4 C23.1 R4.1
NetC21_2: C21.2 R3.2 U5.7 | length 52.1
  L1 w10: U5.7@-3047.4,526.32 -2995.32,526.32
NetC23_2: C23.2 R4.2 U6.8 | length 61.1
  L1 w10: U6.8@-3721.21,-710.9 U6.8@-3712.4,-710.9
  L1 w15: U6.8@-3712.4,-710.9 -3662.4,-710.9 -3660.78,-712.52
NetC24_1: C24.1 U4.26 | length 142.2
  L1 w10: C24.1@-1683.13,-420.24 -1624.7,-420.24 -1600.37,-444.57 U4.26@-1551,-444.57
NetC27_1: C27.1 U4.19 | length 90
  L1 w10: C27.1@-1468.16,-325.24 -1453.47,-339.93 -1453.47,-342.47 -1425.02,-370.93 U4.19@-1425.02,-397.33
NetC27_2: C27.2 U4.20 | length 126.5
  L1 w10: C27.2@-1525.24,-325.24 -1510.56,-339.93 -1510.56,-350.39 -1495.7,-365.24 -1459.7,-365.24 -1444.7,-380.24 U4.20@-1444.7,-397.33
NetC43_2: C43.2 C46.1 R10.2 U11.14 | length 627
  L1 w15: C43.2@-1111,472.54 -1197.46,472.54 -1255,415 -1255,266 -1218.39,229.39 U11.14@-1109.8,229.39 ; C43.2@-1110.46,472 C46.1@-1046.46,472 ; C46.1@-1046,472.46 -989.21,472.46 -971.12,490.56 R10.2@-971.12,494
NetC46_2: C46.2 C52.1 R15.2 U11.15 | length 438
  L1 w15: C52.1@-1111,405.46 -1169.54,405.46 -1195,380 -1195,285 -1164.98,254.98 U11.15@-1109.8,254.98 ; C52.1@-1111,405.46 C46.2@-1046,405.54 ; C46.2@-1046,405.54 -989.21,405.54 -971.12,387.44 R15.2@-971.12,384
NetC47_2: C47.2 R12.1 R13.2 | length 233.3
  L1 w50: C47.2@-796.87,647 -796,647.87 -796,759.88 R12.1@-795.88,760 ; R12.1@-780,760 -779.88,760 R13.2@-660.12,760
NetC48_2: C48.2 R11.2 R13.1 U9.3 | length 499
  L1 w20: C48.2@-550.87,647 -546.87,643.01 -497.01,643.01 -469,615 -390,615 -352.2,577.2 U9.3@-352.2,536.24
  L1 w40: R11.2@-551.69,530.31 C48.2@-551.69,634.57 ; C48.2@-551.69,621.57 C48.2@-551.69,647 ; C48.2@-551.69,660 -551.69,758.19 R13.1@-549.88,760
NetC58_1: C58.1 U12.35 | length 60.6
  L1 w10: U12.35@-2176.65,256.12 -2127.35,256.12 C58.1@-2119.35,248.12
NetC62_1: C62.1 RN2.7 RN2.8 U14.8 | length 251.8
  L1 w15: U14.8@-794.61,-650.6 -794.61,-633.87 -762.13,-601.39 RN2.8@-698.45,-601.39 ; RN2.7@-698.45,-575.8 RN2.8@-698.45,-601.39 ; C62.1@-678.46,-693 -698.45,-673.01 RN2.8@-698.45,-601.39
NetC62_2: C62.2 R38.1 RN2.2 U14.5 | length 809.1
  L1 w15: R38.1@-1004.61,-753 -999.61,-758 -870.49,-758 ; U14.5@-871.39,-650.6 -870.49,-651.49 -870.49,-758 ; C62.2@-607.54,-693 -607.54,-691.98 -594.25,-678.7 -562,-646.45 -562,-591 -547.56,-576.56 -528.31,-576.56 RN2.2@-527.55,-575.8 ; -562,-645.97 -562,-729 -591,-758 -870.49,-758
NetC71_1: C71.1 RN2.5 RN2.6 U14.1 | length 253
  L1 w15: U14.1@-794.61,-475.4 -796,-476.79 -796,-490.75 -762.13,-524.61 RN2.5@-698.45,-524.61 ; RN2.6@-698.45,-550.2 RN2.5@-698.45,-524.61 ; C71.1@-678.46,-433 -698.45,-452.99 RN2.5@-698.45,-524.61
NetC71_2: C71.2 R41.1 RN2.3 U14.4 | length 814.4
  L1 w15: R41.1@-1013.61,-367 R41.1@-1011.61,-365 ; R41.1@-1011.61,-368 -870.49,-368 ; U14.4@-871.39,-475.4 -870.49,-474.51 -870.49,-368 ; C71.2@-607.54,-433 -607.54,-434.02 -589.7,-451.85 -563,-478.55 ; RN2.3@-527.55,-550.2 -528.31,-549.44 -548.56,-549.44 -563,-535 -563,-478.55 ; -870.49,-368 -593,-368 -563,-398 -563,-478.55
NetDS1_1: DS1.1 U11.2 | length 152
  L1 w10: DS1.1@-1489,254.98 U11.2@-1337.02,254.98
NetDS1_2: DS1.2 R19.2 | length 65.8
  L1 w10: R19.2@-1491.35,382.81 R19.2@-1491,382.46
  L1 w15: DS1.2@-1492,317.54 -1491.5,318.04 -1491.5,381.96 R19.2@-1491,382.46
NetDS2_1: DS2.1 R34.2 | length 52.9
  L1 w20: DS2.1@-2740,-804.46 R34.2@-2740,-751.54
NetL3_1: L3.1 U10.17 | length 328.8
  L1 w10: U10.17@-4841.66,-96.88 -4652.36,-96.88 -4633.89,-78.41
  L1 w25: L3.1@-4603.66,-78.41 -4576.79,-51.54 L3.1@-4576.79,-6.41
  L1 w30: -4633.89,-78.41 L3.1@-4603.66,-78.41
NetL4_1: L4.1 U10.13 | length 524.3
  L1 w10: U10.13@-4841.66,-175.62 -4822.68,-175.62 -4816.89,-181.41 -4740.89,-181.41
  L1 w25: -4743.48,-181.82 -4661.89,-263.41 -4661.89,-414.28 -4647.25,-428.93 ; L4.1@-4543.27,-428.93 L4.1@-4541.81,-430.39
  L1 w30: -4647.25,-428.93 L4.1@-4543.27,-428.93 ; L4.1@-4541.81,-430.39 L4.1@-4521.89,-450.3
NetR6_1: R6.1 R8.2 U10.19 | length 782
  L1 w10: U10.19@-4841.66,-57.51 -4825.79,-57.51 -4823.89,-59.41 -4709.89,-59.41 -4679.25,-28.77 -4679.25,-14.59 v1(-4676.89,-12.23) ; R8.2@-4616.89,468.59 R8.2@-4616.89,473.48
  L1 w30: R6.1@-4616.89,393.71 -4616.77,393.59 v1(-4561.89,393.59)
  L1 w50: R6.1@-4616.89,393.71 R8.2@-4616.89,468.59
  L4 w25: v1(-4676.89,-12.23) -4676.89,-12.41 -4561.89,102.59 v1(-4561.89,393.59)
NetR9_1: R9.1 U11.9 | length 127.4
  L1 w15: R9.1@-1171,17.39 -1171,71 -1141.35,100.65 -1141.21,100.65 -1140.43,101.43 U11.9@-1109.8,101.43
NetR10_1: R10.1 R11.3 | length 149.6
  L1 w20: R10.1@-860.88,494 -856.88,490 -732,490 R11.3@-718.5,503.5
NetR11_4: R11.4 R15.1 | length 148.8
  L1 w20: R15.1@-860.88,384 -734,384 R11.4@-718.5,368.5
NetR16_1: R16.1 U11.8 | length 126.6
  L1 w10: U11.8@-1336.2,101.43 U11.8@-1336.2,102.2
  L1 w15: U11.8@-1335.18,101.13 -1305.27,101.13 -1304.79,100.65 -1304.65,100.65 -1276,72 R16.1@-1276,17.39
NetR17_1: R17.1 R18.2 U10.11 | length 926.6
  L1 w10: U10.11@-4841.66,-214.99 -4802.31,-214.99 v1(-4792.89,-224.41)
  L1 w20: v1(-4624.89,-766.41) R17.1@-4624.89,-721.52
  L1 w30: R17.1@-4624.89,-721.52 R18.2@-4516.89,-721.52
  L4 w20: v1@-4793.54,-226.41 -4793.85,-226.72 -4793.85,-238.36 -4866.89,-311.41 -4886.89,-311.41 -4911.89,-336.41 -4911.89,-479.41 -4626.52,-764.77 -4626.52,-766.04 -4626.89,-766.41 v1(-4624.89,-766.41)
NetR21_2: R21.2 R22.2 U11.3 | length 653.2
  L1 w10: R21.2@-1856.05,-90.46 -1825.06,-59.47 -1806,-59.47 R22.2@-1805,-60.47 -1794.25,-49.72 -1789.72,-49.72 -1765,-25 -1685,-25 -1430.61,229.39 U11.3@-1336.2,229.39
NetR24_2: R24.2 R25.2 U11.7 | length 377.3
  L1 w10: R24.2@-1420,-93.46 -1417.05,-93.46 -1386.06,-62.47 -1370,-62.47 R25.2@-1365,-62.47 -1375.75,-51.72 -1383.28,-51.72 -1450,15 -1450,70 -1392.98,127.02 U11.7@-1336.2,127.02
NetR26_2: R26.2 R27.2 U11.6 | length 379.1
  L1 w10: R26.2@-1530,-93.46 -1527.05,-93.46 -1495.59,-62 ; R27.2@-1492.8,-59.2 R27.2@-1485,-59.2 ; R27.2@-1485,-56.41 -1478.94,-62.47 R27.2@-1475,-62.47 -1475,80 -1402.39,152.61 U11.6@-1336.2,152.61
NetR29_2: R29.2 R30.2 U11.5 | length 458.2
  L1 w10: R29.2@-1640,-93.46 -1637.05,-93.46 -1606.06,-62.47 -1581.06,-62.47 -1500,18.59 -1500,90 -1411.8,178.2 U11.5@-1336.2,178.2
NetR31_2: R31.2 R32.2 U11.4 | length 536.9
  L1 w10: R31.2@-1750,-93.46 -1747.05,-93.46 -1716.06,-62.47 R32.2@-1695,-62.47 -1684.25,-51.72 -1676.72,-51.72 -1421.2,203.8 U11.4@-1336.2,203.8
NetRN1_5: RN1.5 RN1.6 U7.3 | length 122.1
  L1 w15: U7.3@-2324.34,-411.2 -2324.13,-411.41 -2324.03,-411.31 -2228.1,-411.31 RN1.6@-2228,-411.41 RN1.5@-2228,-385.82
NetRN1_7: RN1.7 RN1.8 U7.2 | length 122.1
  L1 w15: U7.2@-2324.34,-436.8 -2324.13,-437 -2324.03,-436.9 -2228.1,-436.9 RN1.7@-2228,-437 RN1.8@-2228,-462.59
NetSW1_1: SW1.1 U10.31 | length 450.1
  L1 w10: v1(-5141.89,43.59) -5141.89,39.72 -5123.41,21.23 U10.31@-5112.12,21.23
  L4 w30: SW1.1@-5271.89,398.59 -5141.89,268.59 v1(-5141.89,43.59)
PGNDP: C35.2 C44.1 J1.3 J1.4 pad.1@-5591.89,-161.41 pad.1@-5691.89,-161.41 SW1.2 TP11.1 U10.28 U10.32 U10.33 U10.44 | length 626.8
  L1 w10: C44.1@-5271.89,3.59 -5221.89,3.59 v1(-5191.89,-26.41) ; v1(-5156.89,-26.41) -5121.89,-26.41 -5111.89,-16.41 U10.32@-5111.89,-1.41 ; U10.44@-5046.89,-10.97 -5045.79,-9.87 U10.28@-5045.79,48.2
  L3 w10: TP11.1@-5741.89,728.59 TP11.1@-5741.1,727.81 ; C35.2@-5741.1,319.38 C35.2@-5740.32,318.59
  L4 w30: C35.2@-5741.1,319.38 TP11.1@-5741.1,727.81
  other v1: -5901.89,-181.41 -5871.89,-181.41 -5841.89,-181.41 -5811.89,-181.41 -5481.89,-181.41 -5451.89,-181.41 -5431.89,-161.41 -5411.89,-141.41 -5901.89,-131.41 -5851.89,-131.41 -5501.89,-131.41 -5451.89,-131.41 -5391.89,-121.41 -5391.89,-91.41 -5901.89,-81.41 -5451.89,-81.41 -5376.89,-61.41 -5351.89,-36.41 -5901.89,-31.41 -5851.89,-31.41 -5451.89,-31.41 -5401.89,-31.41 -5901.89,18.59 -5401.89,18.59 -5351.89,18.59 -5901.89,68.59 -5851.89,68.59 -5801.89,68.59 -5901.89,118.59 -5901.89,168.59 -5901.89,218.59 -5901.89,418.59 -5901.89,468.59 -5351.89,468.59 -5901.89,518.59 -5401.89,518.59 -5901.89,568.59 -5851.89,568.59 -5801.89,568.59 -5901.89,618.59 -5501.89,618.59 -5451.89,618.59 -5401.89,618.59 -5351.89,618.59 -5901.89,668.59 -5851.89,668.59 -5801.89,668.59 -5451.89,668.59 -5401.89,668.59 -5351.89,668.59 -5301.89,668.59 -5691.89,673.59 -5641.89,673.59 -5591.89,673.59 -5901.89,718.59 -5851.89,718.59 -5451.89,718.59 -5401.89,718.59 -5351.89,718.59
  other v3: -5071.89,-26.41 -5046.89,-9.41 -5071.89,8.59
PGOOD: J1.6 pad.1@-5591.89,-261.41 U10.35 | length 523.5
  L1 w10: pad.1@-5591.89,-261.41 J1.6@-5539.53,-261.41 -5381.89,-261.41 -5276.42,-155.93 U10.35@-5112.12,-155.93